# Altium PCB 宠物机器人&导购机器人.PcbDoc (part 12 of 14)
Units mil, origin at the board's own origin, x right, y up, seen from the top; angles counter-clockwise.
Board outline 6899.61 x 2204.72 mil, 2 copper layers (Top Layer, Bottom Layer); 229 components, 218 nets, 23463 pads, 263 vias.
Unrouted connection lines stored in the file: 107.
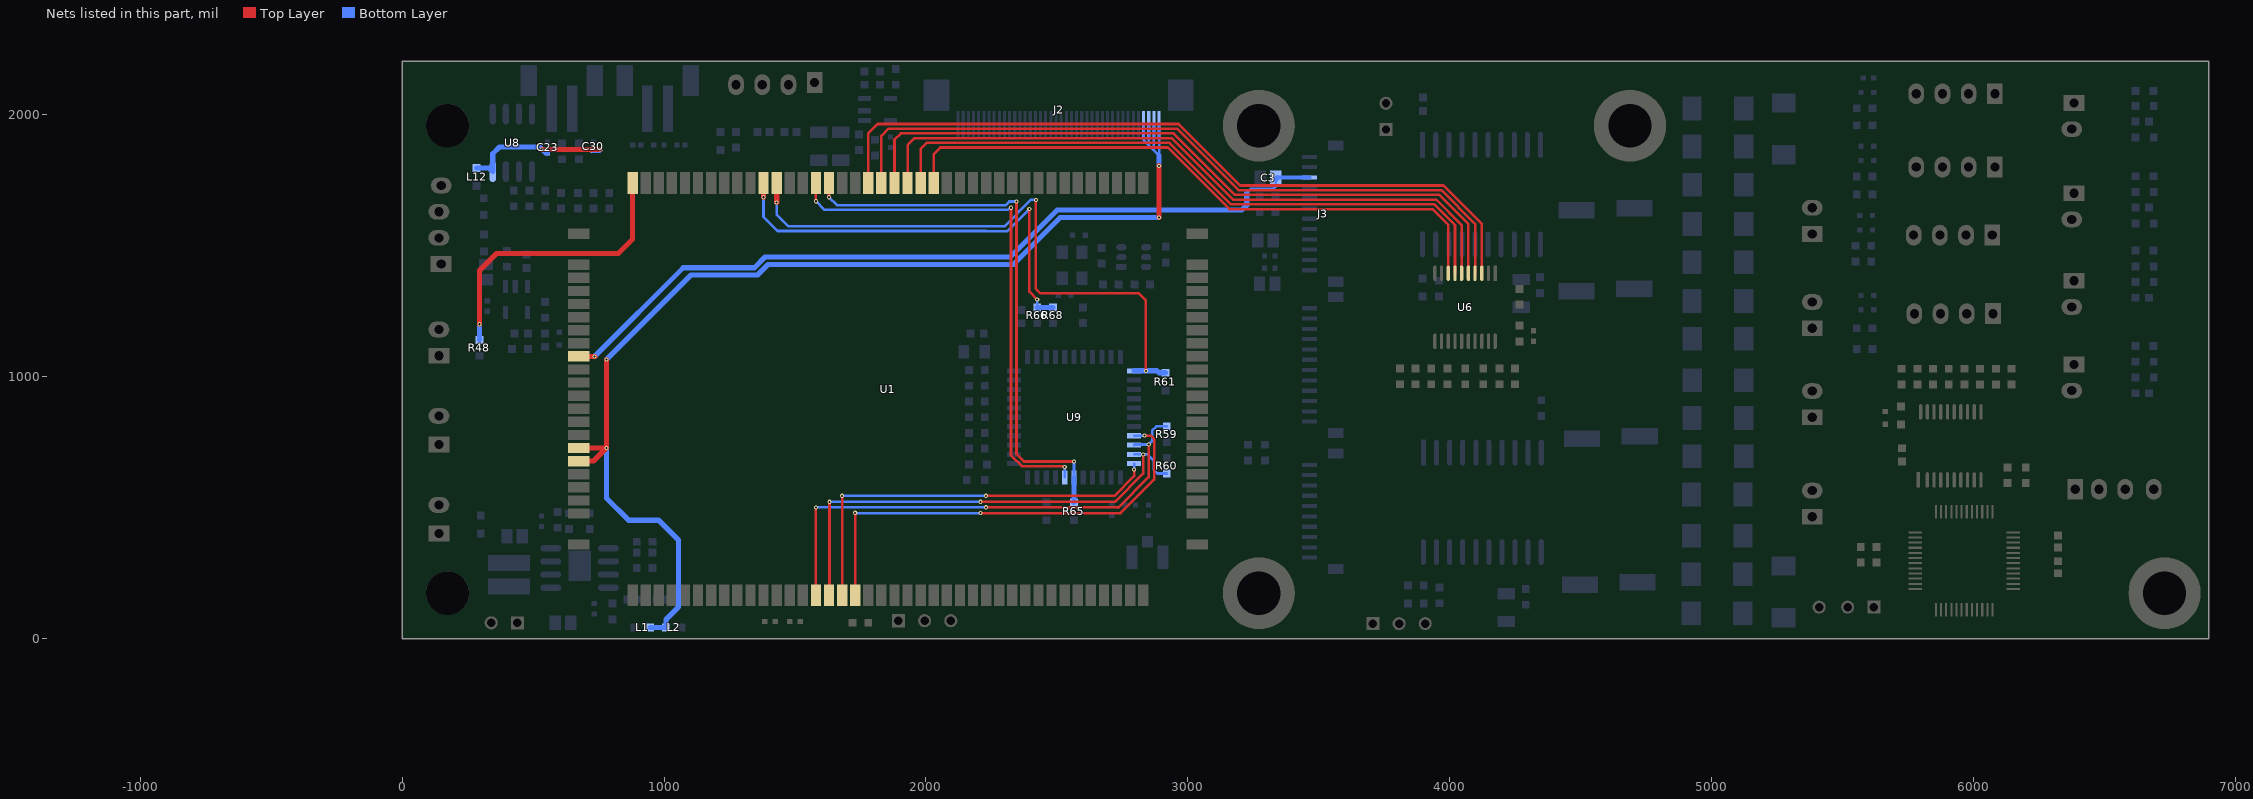
[diagram p12: the nets of this part, all layers, seen from the top]

## Free pads (board coordinates) (continued)
  round 0.01 on Mech3: 1(-1218.18,-384.08) 1(-1218.18,-384.08) 1(-1218.18,-384.08) 1(-1218.13,-384.08) 1(-1218.13,-384.08) 1(-1218.13,-384.08) 1(-1218.13,-384.08) 1(-1218.13,-384.08) 1(-1218.13,-384.08) 1(-1218.13,-384.17) 1(-1218.13,-384.17) 1(-1218.13,-384.17) 1(-1218.13,-384.17) 1(-1218.13,-384.17) 1(-1218.13,-384.17) 1(-1218.13,-384.08) 1(-1218.13,-384.08) 1(-1218.13,-384.08) 1(-1218.13,-384.08) 1(-1218.13,-384.08) 1(-1218.13,-384.08) 1(-1218.13,-384.08) 1(-1218.13,-384.08) 1(-1218.13,-384.08) 1(-1218.13,-383.72) 1(-1218.13,-383.72) 1(-1218.13,-383.72) 1(-1218.13,-383.72) 1(-1218.13,-383.72) 1(-1218.13,-383.72) 1(-1218.1,-384.71) 1(-1218.1,-384.71) 1(-1218.1,-384.71) 1(-1218.1,-384.71) 1(-1218.1,-384.71) 1(-1218.1,-384.71) 1(-1218.1,-384.71) 1(-1218.1,-384.71) 1(-1218.1,-384.71) 1(-1218.1,-384.46) 1(-1218.1,-384.46) 1(-1218.1,-384.46) 1(-1218.1,-384.46) 1(-1218.1,-384.46) 1(-1218.1,-384.46) 1(-1218.1,-384.41) 1(-1218.1,-384.41) 1(-1218.1,-384.41) 1(-1218.08,-384.21) 1(-1218.08,-384.21) 1(-1218.08,-384.21) 1(-1218.08,-384.21) 1(-1218.08,-384.21) 1(-1218.08,-384.21) 1(-1218.08,-383.68) 1(-1218.08,-383.68) 1(-1218.08,-383.68) 1(-1218.08,-383.68) 1(-1218.08,-383.68) 1(-1218.08,-383.68) 1(-1218.02,-384.31) 1(-1218.02,-384.31) 1(-1218.02,-384.31) 1(-1218.02,-384.21) 1(-1218.02,-384.21) 1(-1218.02,-384.21) 1(-1218.02,-384.06) 1(-1218.02,-384.06) 1(-1218.02,-384.06) 1(-1218.02,-383.81) 1(-1218.02,-383.81) 1(-1218.02,-383.81) 1(-1218.02,-384.06) 1(-1218.02,-384.06) 1(-1218.02,-384.06) 1(-1218.02,-384.06) 1(-1218.02,-384.06) 1(-1218.02,-384.06) 1(-1217.96,-384.06) 1(-1217.96,-384.06) 1(-1217.96,-384.06) 1(-1217.95,-384.56) 1(-1217.95,-384.56) 1(-1217.95,-384.56) 1(-1217.95,-383.81) 1(-1217.95,-383.81) 1(-1217.95,-383.81) 1(-1217.93,-383.68) 1(-1217.93,-383.68) 1(-1217.93,-383.68) 1(-1217.93,-383.68) 1(-1217.93,-383.68) 1(-1217.93,-383.68) 1(-1217.92,-384.84) 1(-1217.92,-384.84) 1(-1217.92,-384.84) 1(-1217.92,-384.71) 1(-1217.92,-384.71) 1(-1217.92,-384.71) 1(-1217.92,-384.71) 1(-1217.92,-384.71) 1(-1217.92,-384.71) 1(-1217.9,-384.31) 1(-1217.9,-384.31) 1(-1217.9,-384.31) 1(-1217.9,-384.31) 1(-1217.9,-384.31) 1(-1217.9,-384.31) 1(-1217.9,-384.71) 1(-1217.9,-384.71) 1(-1217.9,-384.71) 1(-1217.88,-384.67) 1(-1217.88,-384.67) 1(-1217.88,-384.67) 1(-1217.88,-384.67) 1(-1217.88,-384.67) 1(-1217.88,-384.67) 1(-1217.88,-383.63) 1(-1217.88,-383.63) 1(-1217.88,-383.63) 1(-1217.88,-383.63) 1(-1217.88,-383.63) 1(-1217.88,-383.63) 1(-1217.88,-383.31) 1(-1217.88,-383.31) 1(-1217.88,-383.31) 1(-1217.88,-383.31) 1(-1217.88,-383.31) 1(-1217.88,-383.31) 1(-1217.88,-384.69) 1(-1217.88,-384.69) 1(-1217.88,-384.69) 1(-1217.88,-384.69) 1(-1217.88,-384.69) 1(-1217.88,-384.69) 1(-1217.86,-383.29) 1(-1217.86,-383.29) 1(-1217.86,-383.29) 1(-1217.86,-383.29) 1(-1217.86,-383.29) 1(-1217.86,-383.29) 1(-1217.85,-384.26) 1(-1217.85,-384.26) 1(-1217.85,-384.26) 1(-1217.85,-384.26) 1(-1217.85,-384.26) 1(-1217.85,-384.26) 1(-1217.85,-383.81) 1(-1217.85,-383.81) 1(-1217.85,-383.81) 1(-1217.85,-384.67) 1(-1217.85,-384.67) 1(-1217.85,-384.67) 1(-1217.85,-384.67) 1(-1217.85,-384.67) 1(-1217.85,-384.67) 1(-1217.84,-384.69) 1(-1217.84,-384.69) 1(-1217.84,-384.69) 1(-1217.84,-384.69) 1(-1217.84,-384.69) 1(-1217.84,-384.69) 1(-1217.82,-384.56) 1(-1217.82,-384.56) 1(-1217.82,-384.56) 1(-1217.82,-384.56) 1(-1217.82,-384.56) 1(-1217.82,-384.56) 1(-1217.81,-383.47) 1(-1217.81,-383.47) 1(-1217.81,-383.47) 1(-1217.81,-383.47) 1(-1217.81,-383.47) 1(-1217.81,-383.47) 1(-1217.81,-383.42) 1(-1217.81,-383.42) 1(-1217.81,-383.42) 1(-1217.81,-383.42) 1(-1217.81,-383.42) 1(-1217.81,-383.42) 1(-1217.81,-383.4) 1(-1217.81,-383.4) 1(-1217.81,-383.4) 1(-1217.81,-384.19) 1(-1217.81,-384.19) 1(-1217.81,-384.19) 1(-1217.81,-384.19) 1(-1217.81,-384.19) 1(-1217.81,-384.19) 1(-1217.81,-384.14) 1(-1217.81,-384.14) 1(-1217.81,-384.14) 1(-1217.79,-384.58) 1(-1217.79,-384.58) 1(-1217.79,-384.58) 1(-1217.77,-384.62) 1(-1217.77,-384.62) 1(-1217.77,-384.62) 1(-1217.77,-384.59) 1(-1217.77,-384.59) 1(-1217.77,-384.59) 1(-1217.77,-384.59) 1(-1217.77,-384.59) 1(-1217.77,-384.59) 1(-1217.77,-384.32) 1(-1217.77,-384.32) 1(-1217.77,-384.32) 1(-1217.77,-384.32) 1(-1217.77,-384.32) 1(-1217.77,-384.32) 1(-1217.77,-384.23) 1(-1217.77,-384.23) 1(-1217.77,-384.23) 1(-1217.77,-384.23) 1(-1217.77,-384.23) 1(-1217.77,-384.23) 1(-1217.76,-383.34) 1(-1217.76,-383.34) 1(-1217.76,-383.34) 1(-1217.76,-383.4) 1(-1217.76,-383.4) 1(-1217.76,-383.4) 1(-1217.76,-383.34) 1(-1217.76,-383.34) 1(-1217.76,-383.34) 1(-1217.76,-383.34) 1(-1217.76,-383.34) 1(-1217.76,-383.34) 1(-1217.73,-383.29) 1(-1217.73,-383.29) 1(-1217.73,-383.29) 1(-1217.73,-383.29) 1(-1217.73,-383.29) 1(-1217.73,-383.29) 1(-1217.72,-384.82) 1(-1217.72,-384.82) 1(-1217.72,-384.82) 1(-1217.72,-384.82) 1(-1217.72,-384.82) 1(-1217.72,-384.82) 1(-1217.72,-383.9) 1(-1217.72,-383.9) 1(-1217.72,-383.9) 1(-1217.72,-383.9) 1(-1217.72,-383.9) 1(-1217.72,-383.9) 1(-1217.71,-383.4) 1(-1217.71,-383.4) 1(-1217.71,-383.4) 1(-1217.71,-383.34) 1(-1217.71,-383.34) 1(-1217.71,-383.34) 1(-1217.71,-383.34) 1(-1217.71,-383.34) 1(-1217.71,-383.34) 1(-1217.71,-383.34) 1(-1217.71,-383.34) 1(-1217.71,-383.34) 1(-1217.71,-383.2) 1(-1217.71,-383.2) 1(-1217.71,-383.2) 1(-1217.7,-383.85) 1(-1217.7,-383.85) 1(-1217.7,-383.85) 1(-1217.7,-383.58) 1(-1217.7,-383.58) 1(-1217.7,-383.58) 1(-1217.7,-383.58) 1(-1217.7,-383.58) 1(-1217.7,-383.58) 1(-1217.7,-384.7) 1(-1217.7,-384.7) 1(-1217.7,-384.7) 1(-1217.69,-384.08) 1(-1217.69,-384.08) 1(-1217.69,-384.08) 1(-1217.66,-383.4) 1(-1217.66,-383.4) 1(-1217.66,-383.4) 1(-1217.66,-383.35) 1(-1217.66,-383.35) 1(-1217.66,-383.35) 1(-1217.66,-383.35) 1(-1217.66,-383.35) 1(-1217.66,-383.35) 1(-1217.65,-383.15) 1(-1217.65,-383.15) 1(-1217.65,-383.15) 1(-1217.65,-383.15) 1(-1217.65,-383.15) 1(-1217.65,-383.15) 1(-1217.65,-384.53) 1(-1217.65,-384.53) 1(-1217.65,-384.53) 1(-1217.65,-384.36) 1(-1217.65,-384.36) 1(-1217.65,-384.36) 1(-1217.65,-384.36) 1(-1217.65,-384.36) 1(-1217.65,-384.36) 1(-1217.64,-384.78) 1(-1217.64,-384.78) 1(-1217.64,-384.78) 1(-1217.63,-383.32) 1(-1217.63,-383.32) 1(-1217.63,-383.32) 1(-1217.63,-383.32) 1(-1217.63,-383.32) 1(-1217.63,-383.32) 1(-1217.62,-383.19) 1(-1217.62,-383.19) 1(-1217.62,-383.19) 1(-1217.62,-383.19) 1(-1217.62,-383.19) 1(-1217.62,-383.19) 1(-1217.62,-384.92) 1(-1217.62,-384.92) 1(-1217.62,-384.92) 1(-1217.62,-384.92) 1(-1217.62,-384.92) 1(-1217.62,-384.92) 1(-1217.6,-384.31) 1(-1217.6,-384.31) 1(-1217.6,-384.31) 1(-1217.6,-384.31) 1(-1217.6,-384.31) 1(-1217.6,-384.31) 1(-1217.59,-384.7) 1(-1217.59,-384.7) 1(-1217.59,-384.7) 1(-1217.56,-383.8) 1(-1217.56,-383.8) 1(-1217.56,-383.8) 1(-1217.56,-384.78) 1(-1217.56,-384.78) 1(-1217.56,-384.78) 1(-1217.56,-384.78) 1(-1217.56,-384.78) 1(-1217.56,-384.78) 1(-1217.56,-384.78) 1(-1217.56,-384.78) 1(-1217.56,-384.78) 1(-1217.56,-384.46) 1(-1217.56,-384.46) 1(-1217.56,-384.46) 1(-1217.56,-384.46) 1(-1217.56,-384.46) 1(-1217.56,-384.46) 1(-1217.56,-384.35) 1(-1217.56,-384.35) 1(-1217.56,-384.35) 1(-1217.56,-383.74) 1(-1217.56,-383.74) 1(-1217.56,-383.74) 1(-1217.56,-383.74) 1(-1217.56,-383.74) 1(-1217.56,-383.74) 1(-1217.56,-383.4) 1(-1217.56,-383.4) 1(-1217.56,-383.4) 1(-1217.56,-384.08) 1(-1217.56,-384.08) 1(-1217.56,-384.08) 1(-1217.56,-384.08) 1(-1217.56,-384.08) 1(-1217.56,-384.08) 1(-1217.55,-384.82) 1(-1217.55,-384.82) 1(-1217.55,-384.82) 1(-1217.55,-384.82) 1(-1217.55,-384.82) 1(-1217.55,-384.82) 1(-1217.55,-384.78) 1(-1217.55,-384.78) 1(-1217.55,-384.78) 1(-1217.55,-384.78) 1(-1217.55,-384.78) 1(-1217.55,-384.78) 1(-1217.53,-384.84) 1(-1217.53,-384.84) 1(-1217.53,-384.84) 1(-1217.53,-384.84) 1(-1217.53,-384.84) 1(-1217.53,-384.84) 1(-1217.49,-383.32) 1(-1217.49,-383.32) 1(-1217.49,-383.32) 1(-1217.49,-383.32) 1(-1217.49,-383.32) 1(-1217.49,-383.32) 1(-1217.47,-383.3) 1(-1217.47,-383.3) 1(-1217.47,-383.3) 1(-1217.47,-383.3) 1(-1217.47,-383.3) 1(-1217.47,-383.3) 1(-1217.47,-383.3) 1(-1217.47,-383.3) 1(-1217.47,-383.3) 1(-1217.47,-383.3) 1(-1217.47,-383.3) 1(-1217.47,-383.3) 1(-1217.47,-383.3) 1(-1217.47,-383.3) 1(-1217.47,-383.3) 1(-1217.46,-383.32) 1(-1217.46,-383.32) 1(-1217.46,-383.32) 1(-1217.45,-383.31) 1(-1217.45,-383.31) 1(-1217.45,-383.31) 1(-1217.45,-383.31) 1(-1217.45,-383.31) 1(-1217.45,-383.31) 1(-1217.45,-383.27) 1(-1217.45,-383.27) 1(-1217.45,-383.27) 1(-1217.45,-383.27) 1(-1217.45,-383.27) 1(-1217.45,-383.27) 1(-1217.44,-384.08) 1(-1217.44,-384.08) 1(-1217.44,-384.08) 1(-1217.44,-384.08) 1(-1217.44,-384.08) 1(-1217.44,-384.08) 1(-1217.43,-383.31) 1(-1217.43,-383.31) 1(-1217.43,-383.31) 1(-1217.43,-383.31) 1(-1217.43,-383.31) 1(-1217.43,-383.31) 1(-1217.43,-383.28) 1(-1217.43,-383.28) 1(-1217.43,-383.28) 1(-1217.43,-383.28) 1(-1217.43,-383.28) 1(-1217.43,-383.28) 1(-1217.42,-383.32) 1(-1217.42,-383.32) 1(-1217.42,-383.32) 1(-1217.41,-383.4) 1(-1217.41,-383.4) 1(-1217.41,-383.4) 1(-1217.41,-383.36) 1(-1217.41,-383.36) 1(-1217.41,-383.36) 1(-1217.41,-383.36) 1(-1217.41,-383.36) 1(-1217.41,-383.36) 1(-1217.4,-383.34) 1(-1217.4,-383.34) 1(-1217.4,-383.34) 1(-1217.4,-383.34) 1(-1217.4,-383.34) 1(-1217.4,-383.34) 1(-1217.4,-383.28) 1(-1217.4,-383.28) 1(-1217.4,-383.28) 1(-1217.4,-383.28) 1(-1217.4,-383.28) 1(-1217.4,-383.28) 1(-1217.39,-383.21) 1(-1217.39,-383.21) 1(-1217.39,-383.21) 1(-1217.39,-383.21) 1(-1217.39,-383.21) 1(-1217.39,-383.21) 1(-1217.38,-383.23) 1(-1217.38,-383.23) 1(-1217.38,-383.23) 1(-1217.38,-383.23) 1(-1217.38,-383.23) 1(-1217.38,-383.23) 1(-1217.38,-383.34) 1(-1217.38,-383.34) 1(-1217.38,-383.34) 1(-1217.38,-383.34) 1(-1217.38,-383.34) 1(-1217.38,-383.34) 1(-1217.38,-383.29) 1(-1217.38,-383.29) 1(-1217.38,-383.29) 1(-1217.38,-383.29) 1(-1217.38,-383.29) 1(-1217.38,-383.29) 1(-1217.36,-383.25) 1(-1217.36,-383.25) 1(-1217.36,-383.25) 1(-1217.36,-383.25) 1(-1217.36,-383.25) 1(-1217.36,-383.25) 1(-1217.36,-383.4) 1(-1217.36,-383.4) 1(-1217.36,-383.4) 1(-1217.36,-383.36) 1(-1217.36,-383.36) 1(-1217.36,-383.36) 1(-1217.36,-383.36) 1(-1217.36,-383.36) 1(-1217.36,-383.36) 1(-1217.36,-383.8) 1(-1217.36,-383.8) 1(-1217.36,-383.8) 1(-1217.36,-383.8) 1(-1217.36,-383.8) 1(-1217.36,-383.8) 1(-1217.36,-383.25) 1(-1217.36,-383.25) 1(-1217.36,-383.25) 1(-1217.36,-383.25) 1(-1217.36,-383.25) 1(-1217.36,-383.25) 1(-1217.36,-383.8) 1(-1217.36,-383.8) 1(-1217.36,-383.8) 1(-1217.36,-383.8) 1(-1217.36,-383.8) 1(-1217.36,-383.8) 1(-1217.36,-383.25) 1(-1217.36,-383.25) 1(-1217.36,-383.25) 1(-1217.36,-383.25) 1(-1217.36,-383.25) 1(-1217.36,-383.25) 1(-1217.35,-383.27) 1(-1217.35,-383.27) 1(-1217.35,-383.27) 1(-1217.35,-383.27) 1(-1217.35,-383.27) 1(-1217.35,-383.27) 1(-1217.34,-384.08) 1(-1217.34,-384.08) 1(-1217.34,-384.08) 1(-1217.33,-384.31) 1(-1217.33,-384.31) 1(-1217.33,-384.31) 1(-1217.33,-384.31) 1(-1217.33,-384.31) 1(-1217.33,-384.31) 1(-1217.31,-384.84) 1(-1217.31,-384.84) 1(-1217.31,-384.84) 1(-1217.31,-384.84) 1(-1217.31,-384.84) 1(-1217.31,-384.84) 1(-1217.31,-383.45) 1(-1217.31,-383.45) 1(-1217.31,-383.45) 1(-1217.31,-383.45) 1(-1217.31,-383.45) 1(-1217.31,-383.45) 1(-1217.31,-383.4) 1(-1217.31,-383.4) 1(-1217.31,-383.4) 1(-1217.31,-384.3) 1(-1217.31,-384.3) 1(-1217.31,-384.3) 1(-1217.31,-384.3) 1(-1217.31,-384.3) 1(-1217.31,-384.3) 1(-1217.31,-383.85) 1(-1217.31,-383.85) 1(-1217.31,-383.85) 1(-1217.31,-383.85) 1(-1217.31,-383.85) 1(-1217.31,-383.85) 1(-1217.3,-384.34) 1(-1217.3,-384.34) 1(-1217.3,-384.34) 1(-1217.3,-384.34) 1(-1217.3,-384.34) 1(-1217.3,-384.34) 1(-1217.29,-384.72) 1(-1217.29,-384.72) 1(-1217.29,-384.72) 1(-1217.29,-384.72) 1(-1217.29,-384.72) 1(-1217.29,-384.72) 1(-1217.29,-384.42) 1(-1217.29,-384.42) 1(-1217.29,-384.42) 1(-1217.29,-383.34) 1(-1217.29,-383.34) 1(-1217.29,-383.34) 1(-1217.28,-384.33) 1(-1217.28,-384.33) 1(-1217.28,-384.33) 1(-1217.28,-384.33) 1(-1217.28,-384.33) 1(-1217.28,-384.33) 1(-1217.28,-383.32) 1(-1217.28,-383.32) 1(-1217.28,-383.32) 1(-1217.28,-383.32) 1(-1217.28,-383.32) 1(-1217.28,-383.32) 1(-1217.27,-383.3) 1(-1217.27,-383.3) 1(-1217.27,-383.3) 1(-1217.27,-384.74) 1(-1217.27,-384.74) 1(-1217.27,-384.74) 1(-1217.27,-384.74) 1(-1217.27,-384.74) 1(-1217.27,-384.74) 1(-1217.26,-383.47) 1(-1217.26,-383.47) 1(-1217.26,-383.47) 1(-1217.26,-383.47) 1(-1217.26,-383.47) 1(-1217.26,-383.47) 1(-1217.26,-383.4) 1(-1217.26,-383.4) 1(-1217.26,-383.4) 1(-1217.26,-384.9) 1(-1217.26,-384.9) 1(-1217.26,-384.9) 1(-1217.22,-384.86) 1(-1217.22,-384.86) 1(-1217.22,-384.86) 1(-1217.22,-384.86) 1(-1217.22,-384.86) 1(-1217.22,-384.86) 1(-1217.21,-384.92) 1(-1217.21,-384.92) 1(-1217.21,-384.92) 1(-1217.21,-384.92) 1(-1217.21,-384.92) 1(-1217.21,-384.92) 1(-1217.21,-383.48) 1(-1217.21,-383.48) 1(-1217.21,-383.48) 1(-1217.21,-383.48) 1(-1217.21,-383.48) 1(-1217.21,-383.48) 1(-1217.21,-383.4) 1(-1217.21,-383.4) 1(-1217.21,-383.4) 1(-1217.21,-384.92) 1(-1217.21,-384.92) 1(-1217.21,-384.92) 1(-1217.19,-383.57) 1(-1217.19,-383.57) 1(-1217.19,-383.57) 1(-1217.19,-383.57) 1(-1217.19,-383.57) 1(-1217.19,-383.57) 1(-1217.19,-383.54) 1(-1217.19,-383.54) 1(-1217.19,-383.54) 1(-1217.19,-383.54) 1(-1217.19,-383.54) 1(-1217.19,-383.54) 1(-1217.16,-383.52) 1(-1217.16,-383.52) 1(-1217.16,-383.52) 1(-1217.16,-383.52) 1(-1217.16,-383.52) 1(-1217.16,-383.52) 1(-1217.16,-384.98) 1(-1217.16,-384.98) 1(-1217.16,-384.98) 1(-1217.16,-384.93) 1(-1217.16,-384.93) 1(-1217.16,-384.93) 1(-1217.16,-384.93) 1(-1217.16,-384.93) 1(-1217.16,-384.93) 1(-1217.16,-383.48) 1(-1217.16,-383.48) 1(-1217.16,-383.48) 1(-1217.16,-383.48) 1(-1217.16,-383.48) 1(-1217.16,-383.48) 1(-1217.16,-383.4) 1(-1217.16,-383.4) 1(-1217.16,-383.4) 1(-1217.16,-384.74) 1(-1217.16,-384.74) 1(-1217.16,-384.74) 1(-1217.15,-384.91) 1(-1217.15,-384.91) 1(-1217.15,-384.91) 1(-1217.15,-384.91) 1(-1217.15,-384.91) 1(-1217.15,-384.91) 1(-1217.13,-383.51) 1(-1217.13,-383.51) 1(-1217.13,-383.51) 1(-1217.13,-383.51) 1(-1217.13,-383.51) 1(-1217.13,-383.51) 1(-1217.13,-383.34) 1(-1217.13,-383.34) 1(-1217.13,-383.34) 1(-1217.11,-385.03) 1(-1217.11,-385.03) 1(-1217.11,-385.03) 1(-1217.11,-385.03) 1(-1217.11,-385.03) 1(-1217.11,-385.03) 1(-1217.11,-384.98) 1(-1217.11,-384.98) 1(-1217.11,-384.98) 1(-1217.11,-383.47) 1(-1217.11,-383.47) 1(-1217.11,-383.47) 1(-1217.11,-383.47) 1(-1217.11,-383.47) 1(-1217.11,-383.47) 1(-1217.11,-383.4) 1(-1217.11,-383.4) 1(-1217.11,-383.4) 1(-1217.09,-383.49) 1(-1217.09,-383.49) 1(-1217.09,-383.49) 1(-1217.09,-383.49) 1(-1217.09,-383.49) 1(-1217.09,-383.49) 1(-1217.09,-384.86) 1(-1217.09,-384.86) 1(-1217.09,-384.86) 1(-1217.08,-385.05) 1(-1217.08,-385.05) 1(-1217.08,-385.05) 1(-1217.08,-385.05) 1(-1217.08,-385.05) 1(-1217.08,-385.05) 1(-1217.07,-384.64) 1(-1217.07,-384.64) 1(-1217.07,-384.64) 1(-1217.07,-384.57) 1(-1217.07,-384.57) 1(-1217.07,-384.57) 1(-1217.07,-384.57) 1(-1217.07,-384.57) 1(-1217.07,-384.57) 1(-1217.06,-384.79) 1(-1217.06,-384.79) 1(-1217.06,-384.79) 1(-1217.06,-384.79) 1(-1217.06,-384.79) 1(-1217.06,-384.79) 1(-1217.06,-384.69) 1(-1217.06,-384.69) 1(-1217.06,-384.69) 1(-1217.06,-385.03) 1(-1217.06,-385.03) 1(-1217.06,-385.03) 1(-1217.06,-385.03) 1(-1217.06,-385.03) 1(-1217.06,-385.03) 1(-1217.06,-384.98) 1(-1217.06,-384.98) 1(-1217.06,-384.98) 1(-1217.06,-383.45) 1(-1217.06,-383.45) 1(-1217.06,-383.45) 1(-1217.06,-383.45) 1(-1217.06,-383.45) 1(-1217.06,-383.45) 1(-1217.06,-383.4) 1(-1217.06,-383.4) 1(-1217.06,-383.4) 1(-1217.06,-383.4) 1(-1217.06,-383.4) 1(-1217.06,-383.4) 1(-1217.06,-383.4) 1(-1217.06,-383.4) 1(-1217.06,-383.4) 1(-1217.05,-385.04) 1(-1217.05,-385.04) 1(-1217.05,-385.04) 1(-1217.05,-385.04) 1(-1217.05,-385.04) 1(-1217.05,-385.04) 1(-1217.05,-384.81) 1(-1217.05,-384.81) 1(-1217.05,-384.81) 1(-1217.05,-384.81) 1(-1217.05,-384.81) 1(-1217.05,-384.81) 1(-1217.05,-383.47) 1(-1217.05,-383.47) 1(-1217.05,-383.47) 1(-1217.05,-383.47) 1(-1217.05,-383.47) 1(-1217.05,-383.47) 1(-1217.04,-385.05) 1(-1217.04,-385.05) 1(-1217.04,-385.05) 1(-1217.04,-385.05) 1(-1217.04,-385.05) 1(-1217.04,-385.05) 1(-1217.03,-385.04) 1(-1217.03,-385.04) 1(-1217.03,-385.04) 1(-1217.03,-385.04) 1(-1217.03,-385.04) 1(-1217.03,-385.04) 1(-1217.02,-384.81) 1(-1217.02,-384.81) 1(-1217.02,-384.81) 1(-1217.01,-385.02) 1(-1217.01,-385.02) 1(-1217.01,-385.02) 1(-1217.01,-385.02) 1(-1217.01,-385.02) 1(-1217.01,-385.02) 1(-1217.01,-384.98) 1(-1217.01,-384.98) 1(-1217.01,-384.98) 1(-1216.97,-383.34) 1(-1216.97,-383.34) 1(-1216.97,-383.34) 1(-1216.97,-383.34) 1(-1216.97,-383.34) 1(-1216.97,-383.34) 1(-1216.97,-385.12) 1(-1216.97,-385.12) 1(-1216.97,-385.12) 1(-1216.97,-385.12) 1(-1216.97,-385.12) 1(-1216.97,-385.12) 1(-1216.96,-385.03) 1(-1216.96,-385.03) 1(-1216.96,-385.03) 1(-1216.96,-385.03) 1(-1216.96,-385.03) 1(-1216.96,-385.03) 1(-1216.96,-384.98) 1(-1216.96,-384.98) 1(-1216.96,-384.98) 1(-1216.96,-383.4) 1(-1216.96,-383.4) 1(-1216.96,-383.4) 1(-1216.96,-383.35) 1(-1216.96,-383.35) 1(-1216.96,-383.35) 1(-1216.96,-383.35) 1(-1216.96,-383.35) 1(-1216.96,-383.35) 1(-1216.96,-385.1) 1(-1216.96,-385.1) 1(-1216.96,-385.1) 1(-1216.96,-385.1) 1(-1216.96,-385.1) 1(-1216.96,-385.1) 1(-1216.95,-385.09) 1(-1216.95,-385.09) 1(-1216.95,-385.09) 1(-1216.95,-385.09) 1(-1216.95,-385.09) 1(-1216.95,-385.09) 1(-1216.94,-384.57) 1(-1216.94,-384.57) 1(-1216.94,-384.57) 1(-1216.94,-384.57) 1(-1216.94,-384.57) 1(-1216.94,-384.57) 1(-1216.93,-384.84) 1(-1216.93,-384.84) 1(-1216.93,-384.84) 1(-1216.92,-385.07) 1(-1216.92,-385.07) 1(-1216.92,-385.07) 1(-1216.92,-385.07) 1(-1216.92,-385.07) 1(-1216.92,-385.07) 1(-1216.89,-384.91) 1(-1216.89,-384.91) 1(-1216.89,-384.91) 1(-1216.89,-384.91) 1(-1216.89,-384.91) 1(-1216.89,-384.91) 1(-1216.84,-384.86) 1(-1216.84,-384.86) 1(-1216.84,-384.86) 1(-1216.84,-384.86) 1(-1216.84,-384.86) 1(-1216.84,-384.86) 1(-1216.84,-384.6) 1(-1216.84,-384.6) 1(-1216.84,-384.6) 1(-1216.84,-384.6) 1(-1216.84,-384.6) 1(-1216.84,-384.6) 1(-1216.82,-384.57) 1(-1216.82,-384.57) 1(-1216.82,-384.57) 1(-1216.82,-384.57) 1(-1216.82,-384.57) 1(-1216.82,-384.57) 1(-1216.81,-384.98) 1(-1216.81,-384.98) 1(-1216.81,-384.98) 1(-1216.81,-384.97) 1(-1216.81,-384.97) 1(-1216.81,-384.97) 1(-1216.81,-384.97) 1(-1216.81,-384.97) 1(-1216.81,-384.97) 1(-1216.81,-384.66) 1(-1216.81,-384.66) 1(-1216.81,-384.66) 1(-1216.76,-384.99) 1(-1216.76,-384.99) 1(-1216.76,-384.99) 1(-1216.76,-384.98) 1(-1216.76,-384.98) 1(-1216.76,-384.98) 1(-1216.76,-384.98) 1(-1216.76,-384.98) 1(-1216.76,-384.98) 1(-1216.76,-384.63) 1(-1216.76,-384.63) 1(-1216.76,-384.63) 1(-1216.76,-384.63) 1(-1216.76,-384.63) 1(-1216.76,-384.63) 1(-1216.76,-384.63) 1(-1216.76,-384.63) 1(-1216.76,-384.63) 1(-1216.71,-383.57) 1(-1216.71,-383.57) 1(-1216.71,-383.57) 1(-1216.71,-383.57) 1(-1216.71,-383.57) 1(-1216.71,-383.57) 1(-1216.71,-383.54) 1(-1216.71,-383.54) 1(-1216.71,-383.54) 1(-1216.71,-383.54) 1(-1216.71,-383.54) 1(-1216.71,-383.54) 1(-1216.71,-384.98) 1(-1216.71,-384.98) 1(-1216.71,-384.98) 1(-1216.71,-384.6) 1(-1216.71,-384.6) 1(-1216.71,-384.6) 1(-1216.71,-383.52) 1(-1216.71,-383.52) 1(-1216.71,-383.52) 1(-1216.71,-383.52) 1(-1216.71,-383.52) 1(-1216.71,-383.52) 1(-1216.7,-383.51) 1(-1216.7,-383.51) 1(-1216.7,-383.51) 1(-1216.7,-383.51) 1(-1216.7,-383.51) 1(-1216.7,-383.51) 1(-1216.7,-384.3) 1(-1216.7,-384.3) 1(-1216.7,-384.3) 1(-1216.69,-383.49) 1(-1216.69,-383.49) 1(-1216.69,-383.49) 1(-1216.69,-383.49) 1(-1216.69,-383.49) 1(-1216.69,-383.49) 1(-1216.69,-383.47) 1(-1216.69,-383.47) 1(-1216.69,-383.47) 1(-1216.69,-383.47) 1(-1216.69,-383.47) 1(-1216.69,-383.47) 1(-1216.68,-384.3) 1(-1216.68,-384.3) 1(-1216.68,-384.3) 1(-1216.68,-384.3) 1(-1216.68,-384.3) 1(-1216.68,-384.3) 1(-1216.68,-384.33) 1(-1216.68,-384.33) 1(-1216.68,-384.33) 1(-1216.68,-384.33) 1(-1216.68,-384.33) 1(-1216.68,-384.33) 1(-1216.67,-384.34) 1(-1216.67,-384.34) 1(-1216.67,-384.34) 1(-1216.67,-384.34) 1(-1216.67,-384.34) 1(-1216.67,-384.34) 1(-1216.67,-384.97) 1(-1216.67,-384.97) 1(-1216.67,-384.97) 1(-1216.67,-384.97) 1(-1216.67,-384.97) 1(-1216.67,-384.97) 1(-1216.67,-384.48) 1(-1216.67,-384.48) 1(-1216.67,-384.48) 1(-1216.66,-384.98) 1(-1216.66,-384.98) 1(-1216.66,-384.98) 1(-1216.66,-383.46) 1(-1216.66,-383.46) 1(-1216.66,-383.46) 1(-1216.66,-383.46) 1(-1216.66,-383.46) 1(-1216.66,-383.46) 1(-1216.66,-383.4) 1(-1216.66,-383.4) 1(-1216.66,-383.4) 1(-1216.66,-383.46) 1(-1216.66,-383.46) 